# Altium PCB Main.PcbDoc
Units mil, origin at the board's own origin, x right, y up, seen from the top; angles counter-clockwise.
Board outline 3835 x 3825 mil, 2 copper layers (Top Layer, Bottom Layer); 84 components, 49 nets, 242 pads, 0 vias.
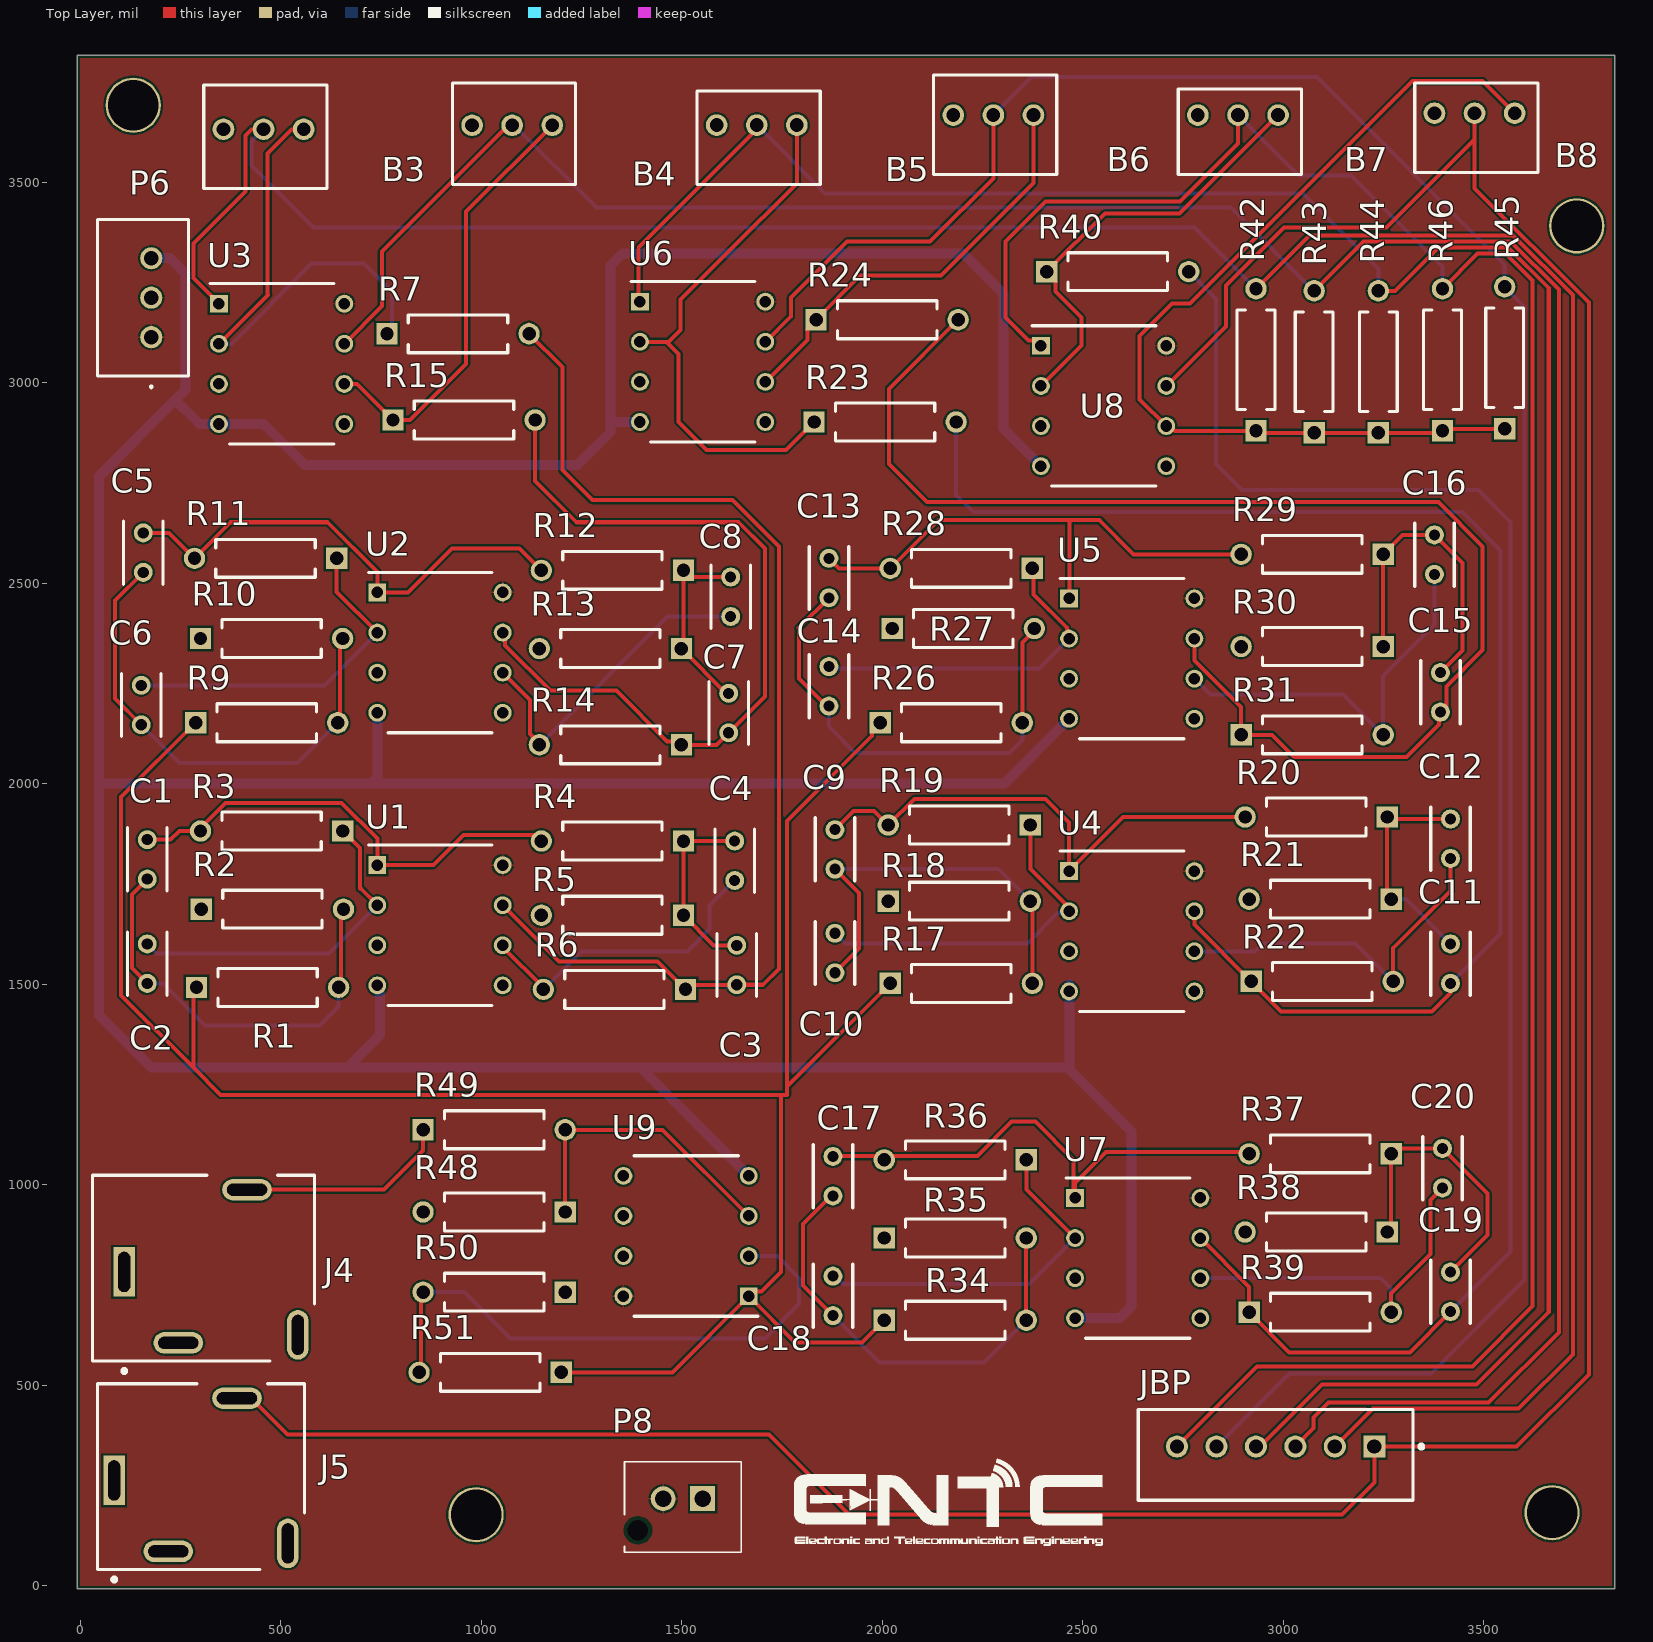
[diagram p0: Top Layer view]
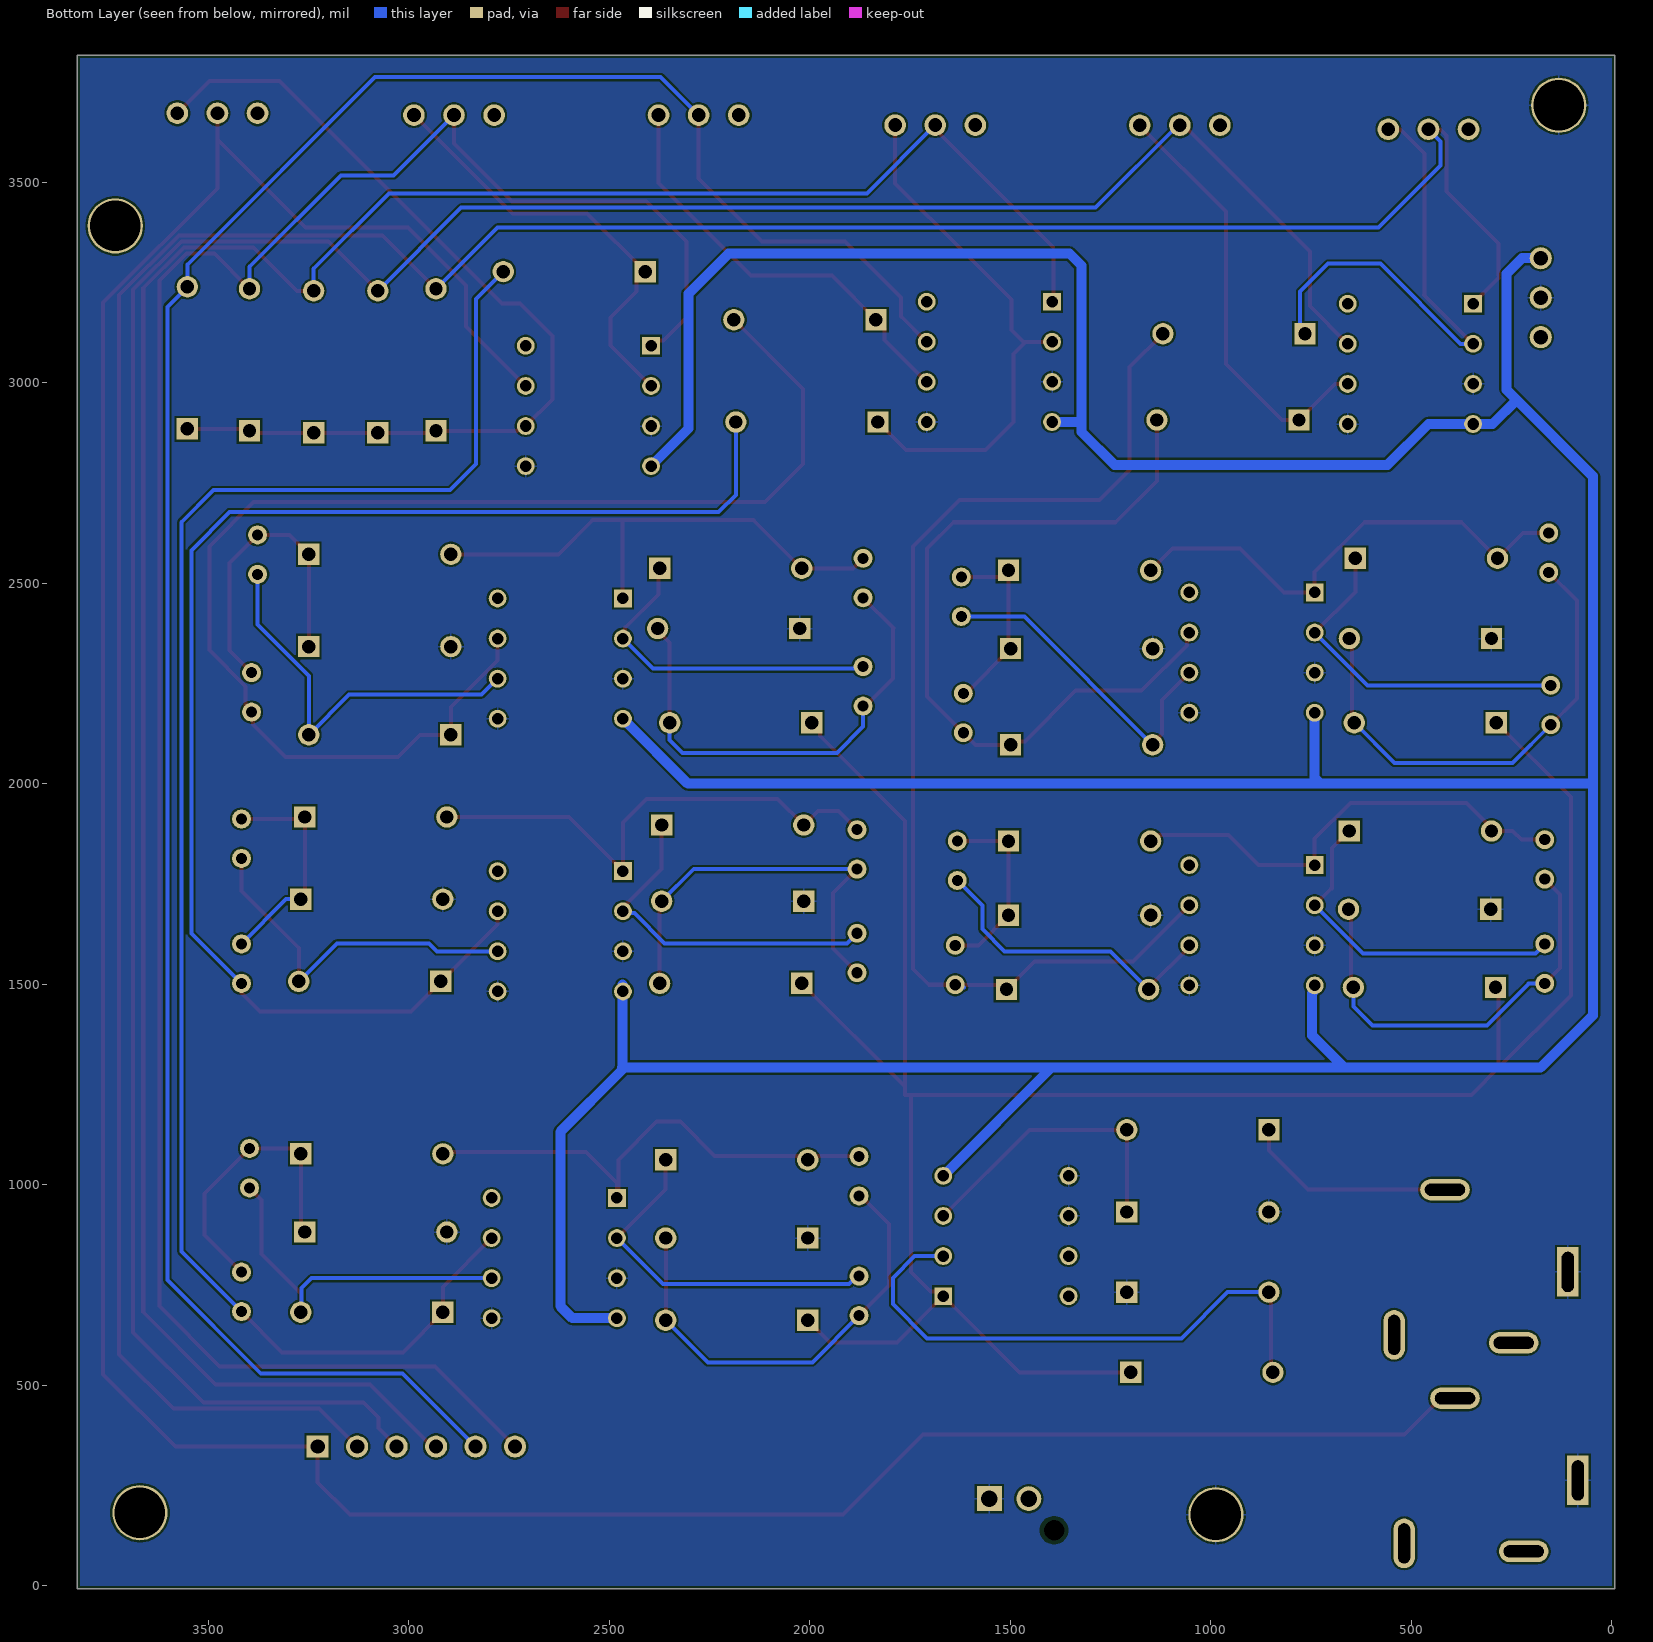
[diagram p1: Bottom Layer view, seen from below]

## Layer stack, top to bottom
Top Solder: solder mask 0.4, Solder Resist, Dk 3.5
Top Layer: signal copper 1.4
Dielectric 1: dielectric 12.6, FR-4, Dk 4.8
Bottom Layer: signal copper 1.4
Bottom Solder: solder mask 0.4, Solder Resist, Dk 3.5

## Board outline
3826.97,-8.03 -8.03,-8.03 -8.03,3816.97 3826.97,3816.97

## Design rules (kind name [scope] priority, off if disabled: settings)
BoardOutlineClearance [All] p1: gap=7.87 ignorepadtopadclearanceinfootprint=FALSE
Clearance [All] p1: gap=5 ignorepadtopadclearanceinfootprint=FALSE except(9.84: Arc-Hole Track-Hole SMDPad-Hole THPad-Hole Via-Hole Fill-Hole Poly-Hole Region-Hole Text-Hole)
ComponentClearance [All] p1: gap=5 collisioncheckmode=3 verticalgap=5 showdistances=TRUE
DiffPairsRouting [All] p1: maxlimit=10 minlimit=5 mostfreqgap=5 toplayer_minwidth=5 toplayer_maxwidth=1000 toplayer_prefwidth=5 bottomlayer_minwidth=5 bottomlayer_maxwidth=1000 bottomlayer_prefwidth=5 maxuncoupledlength=500
Height [All] p1: minheight=0 maxheight=71497.94 prefheight=500
HoleSize [All] p1: absolutevalues=TRUE maxlimit=248.03 minlimit=11.81 maxpercent=80.000 minpercent=20.000
HoleToHoleClearance [All] p1: gap=9.84 allowstackedmicrovias=FALSE
MinimumAnnularRing [All] p1: minimumring=3
MinimumSolderMaskSliver [All] p1: minsoldermaskwidth=0
PlaneClearance [All] p1: clearance=5
PlaneConnect PlaneConnectPowerPads [InPadClass('PowerPads')] p1: planeconnectstyle=Direct reliefexpansion=20 reliefentries=4 reliefconductorwidth=10 reliefairgap=10
PlaneConnect [All] p2: pad.planeconnectstyle=Relief pad.reliefexpansion=11.81 pad.reliefentries=4 pad.reliefconductorwidth=5 pad.reliefairgap=5 via.planeconnectstyle=Direct via.reliefexpansion=11.81 via.reliefentries=4 via.reliefconductorwidth=5 via.reliefairgap=5
PolygonConnect PolygonConnectPowerPads [All vs (InPadClass('PowerPads'))] p1: connectstyle=Direct reliefconductorwidth=10 reliefentries=4 polygonreliefangle="90 Angle" airgapwidth=10
PolygonConnect [All] p2: thpad.connectstyle=Relief thpad.reliefconductorwidth=5 thpad.reliefentries=4 thpad.polygonreliefangle="90 Angle" thpad.airgapwidth=5 smdpad.connectstyle=Relief smdpad.reliefconductorwidth=5 smdpad.reliefentries=4 smdpad.polygonreliefangle="90 Angle" smdpad.airgapwidth=5 via.connectstyle=Direct via.reliefconductorwidth=5 via.reliefentries=4 via.polygonreliefangle="90 Angle" via.airgapwidth=5
RoutingVias [All] p1: holewidth=11.81 width=23.62 viastyle="Through Hole" minholewidth=11.81 minwidth=23.62 maxholewidth=23.62 maxwidth=259.84
SilkToSilkClearance [All] p1: silktosilkclearance=0
SilkToSolderMaskClearance [IsPad] p1: minsilkscreentomaskgap=5 clearancetoexposedcopper=TRUE
SolderMaskExpansion [All] p1: expansion=2.95 istentingtop=FALSE
Width Width_1 [InNet('V_POS')] p1: maxlimit=25 minlimit=10 preferedwidth=25 minimp=50.000000 maximp=50.000000 favimp=50.000000
Width Width_6 [InNet('V-')] p2: maxlimit=25 minlimit=10 preferedwidth=25 minimp=50.000000 maximp=50.000000 favimp=50.000000
Width Width_5 [InNet('V+')] p3: maxlimit=25 minlimit=10 preferedwidth=25 minimp=50.000000 maximp=50.000000 favimp=50.000000
Width Width_4 [InNet('V_NEG_POW')] p4: maxlimit=25 minlimit=10 preferedwidth=25 minimp=50.000000 maximp=50.000000 favimp=50.000000
Width Width_3 [InNet('V_NEG')] p5: maxlimit=25 minlimit=10 preferedwidth=25 minimp=50.000000 maximp=50.000000 favimp=50.000000
Width Width_2 [InNet('V_POS_POW')] p6: maxlimit=25 minlimit=10 preferedwidth=25 minimp=50.000000 maximp=50.000000 favimp=50.000000
Width [All] p7: maxlimit=25 minlimit=10 preferedwidth=10 minimp=50.000000 maximp=50.000000 favimp=50.000000
20 further rules are at their usual default settings.

## Components (designator, comment, footprint, x,y, rotation, side; value= is the part's Value field where it differs from the comment)
B3 "14910A0BHSX10502KA" 14910F0GJSX10103KA 456.97,4081.58 r90 top
B4 "14910A0BHSX10502KA" 14910F0GJSX10103KA 1076.97,4091.58 r90 top
B5 "14910A0BHSX10502KA" 14910F0GJSX10103KA 1686.97,4091.97 r90 top
B6 "14910A0BHSX10502KA" 14910F0GJSX10103KA 2276.97,4116.97 r90 top
B7 "14910A0BHSX10502KA" 14910F0GJSX10103KA 2886.97,4116.97 r90 top
B8 "14910A0BHSX10502KA" 14910F0GJSX10103KA 3476.97,4121.58 r90 top
C1 "100nF" K104K15X7RF5TL2 166.97,1761.97 r90 top
C2 "100nF" K104K15X7RF5TL2 166.97,1501.97 r90 top
C3 "100nF" K104K15X7RF5TL2 1636.97,1596.97 r270 top
C4 "100nF" K104K15X7RF5TL2 1631.97,1856.97 r270 top
C5 "100nF" K104K15X7RF5TL2 156.97,2526.97 r90 top
C6 "100nF" K104K15X7RF5TL2 151.97,2146.97 r90 top
C7 "100nF" K104K15X7RF5TL2 1616.97,2225.4 r270 top
C8 "100nF" K104K15X7RF5TL2 1621.97,2515.4 r270 top
C9 "10nF" K104K15X7RF5TL2 1881.97,1786.97 r90 top
C10 "10nF" K104K15X7RF5TL2 1881.97,1528.55 r90 top
C11 "10nF" K104K15X7RF5TL2 3416.97,1600.4 r270 top
C12 "10nF" K104K15X7RF5TL2 3416.97,1911.97 r270 top
C13 "10nF" K104K15X7RF5TL2 1866.97,2463.55 r90 top
C14 "10nF" K104K15X7RF5TL2 1866.97,2193.55 r90 top
C15 "10nF" K104K15X7RF5TL2 3391.97,2276.97 r270 top
C16 "10nF" K104K15X7RF5TL2 3376.97,2620.4 r270 top
C17 "1nF" K104K15X7RF5TL2 1876.97,971.97 r90 top
C18 "1nF" K104K15X7RF5TL2 1876.97,673.55 r90 top
C19 "1nF" K104K15X7RF5TL2 3416.97,781.97 r270 top
C20 "1nF" K104K15X7RF5TL2 3396.97,1090.4 r270 top
J4 "35RAPC3BH3" FP-35RAPC3BH3-MFG 236.97,791.97 r0 top
J5 "35RAPC3BH3" FP-35RAPC3BH3-MFG 211.97,271.97 r0 top
JBP "B6B-XH-A(LF)(SN)" FP-B6B-XH-A_LF_SN-MFG 2980.91,326.3 r180 top
P6 "B3B-XH-A_LF__SN_" B3BXHALFSN 176.97,3113.55 r90 top
P8 "B2B-XH-AM_LF__SN_" B2BXHAMLFSN 1551.97,216.97 r180 top
R1 "MFR-25FBF52-221R" RESA60-630X240 466.97,1491.97 r0 top value=12K
R2 "MFR-25FBF52-221R" RESA60-630X240 479.14,1686.97 r0 top value=68K
R3 "MFR-25FBF52-221R" RESA60-630X240 476.97,1881.97 r180 top value=39K
R4 "MFR-25FBF52-221R" RESA60-630X240 1326.97,1856.97 r180 top value=3.3K
R5 "MFR-25FBF52-221R" RESA60-630X240 1326.97,1671.97 r180 top value=22K
R6 "MFR-25FBF52-221R" RESA60-630X240 1331.97,1486.97 r180 top value=10K
R7 "MFR-25FBF52-221R" RESA60-630X240 941.97,3121.97 r0 top value=2.2K
R9 "MFR-25FBF52-221R" RESA60-630X240 464.81,2151.97 r0 top value=3.3K
R10 "MFR-25FBF52-221R" RESA60-630X240 476.97,2361.97 r0 top value=2K
R11 "MFR-25FBF52-221R" RESA60-630X240 461.97,2561.97 r180 top value=10K
R12 "MFR-25FBF52-221R" RESA60-630X240 1326.97,2531.97 r180 top value=1.5K
R13 "MFR-25FBF52-221R" RESA60-630X240 1321.97,2336.97 r180 top value=910
R14 "MFR-25FBF52-221R" RESA60-630X240 1321.97,2096.97 r180 top value=4.7K
R15 "MFR-25FBF52-221R" RESA60-630X240 956.97,2906.97 r0 top value=2.2K
R17 "MFR-25FBF52-221R" RESA60-630X240 2196.97,1501.97 r0 top value=9.1K
R18 "MFR-25FBF52-221R" RESA60-630X240 2191.97,1706.97 r0 top value=7.5K
R19 "MFR-25FBF52-221R" RESA60-630X240 2191.97,1896.97 r180 top value=27K
R20 "MFR-25FBF52-221R" RESA60-630X240 3081.97,1916.97 r180 top value=3.6K
R21 "MFR-25FBF52-221R" RESA60-630X240 3091.97,1711.97 r180 top value=3K
R22 "MFR-25FBF52-221R" RESA60-630X240 3096.97,1506.97 r0 top value=11K
R23 "MFR-25FBF52-221R" RESA60-630X240 2006.97,2901.97 r0 top value=2.2K
R24 "MFR-25FBF52-221R" RESA60-630X240 2011.97,3156.97 r0 top value=2.2K
R26 "MFR-25FBF52-221R" RESA60-630X240 2171.97,2151.97 r0 top value=3.6K
R27 "MFR-25FBF52-221R" RESA60-630X240 2201.97,2386.97 r0 top value=1.2K
R28 "MFR-25FBF52-221R" RESA60-630X240 2196.97,2536.97 r180 top value=11K
R29 "MFR-25FBF52-221R" RESA60-630X240 3071.97,2571.97 r180 top value=1.8K
R30 "MFR-25FBF52-221R" RESA60-630X240 3071.97,2341.97 r180 top value=620
R31 "MFR-25FBF52-221R" RESA60-630X240 3071.97,2121.97 r0 top value=5.6K
R34 "MFR-25FBF52-221R" RESA60-630X240 2181.97,661.97 r0 top value=20K
R35 "MFR-25FBF52-221R" RESA60-630X240 2181.97,866.97 r0 top value=3.6K
R36 "MFR-25FBF52-221R" RESA60-630X240 2181.97,1061.97 r180 top value=56K
R37 "MFR-25FBF52-221R" RESA60-630X240 3091.97,1076.97 r180 top value=12k
R38 "MFR-25FBF52-221R" RESA60-630X240 3081.97,881.97 r180 top value=2.2k
R39 "MFR-25FBF52-221R" RESA60-630X240 3091.97,681.97 r0 top value=36K
R40 "MFR-25FBF52-221R" RESA60-630X240 2586.97,3276.97 r0 top value=2.2K
R42 "MFR-25FBF52-221R" RESA60-630X240 2931.97,3056.97 r90 top value=5K
R43 "MFR-25FBF52-221R" RESA60-630X240 3076.97,3051.97 r90 top value=5K
R44 "MFR-25FBF52-221R" RESA60-630X240 3236.97,3051.97 r90 top value=5K
R45 "MFR-25FBF52-221R" RESA60-630X240 3551.97,3061.97 r90 top value=5K
R46 "MFR-25FBF52-221R" RESA60-630X240 3396.97,3056.97 r90 top value=5K
R48 "MFR-25FBF52-221R" RESA60-630X240 1031.97,931.97 r180 top value=68K
R49 "MFR-25FBF52-221R" RESA60-630X240 1031.97,1136.97 r0 top value=39K
R50 "MFR-25FBF52-221R" RESA60-630X240 1031.97,731.97 r180 top value=39K
R51 "MFR-25FBF52-221R" RESA60-630X240 1021.97,531.97 r180 top value=68K
U1 "TL072CP" DIP794W53P254L959H508Q8N 896.97,1646.97 r0 top
U2 "TL072CP" DIP794W53P254L959H508Q8N 896.97,2326.97 r0 top
U3 "TL072CP" DIP794W53P254L959H508Q8N 501.97,3046.97 r0 top
U4 "TL072CP" DIP794W53P254L959H508Q8N 2621.97,1631.97 r0 top
U5 "NE5532P" DIP794W53P254L959H508Q8N 2621.97,2311.97 r0 top
U6 "NE5532P" DIP794W53P254L959H508Q8N 1551.97,3051.97 r0 top
U7 "NE5532P" DIP794W53P254L959H508Q8N 2636.97,816.97 r0 top
U8 "NE5532P" DIP794W53P254L959H508Q8N 2551.97,2941.97 r0 top
U9 "TL072CP" DIP794W53P254L959H508Q8N 1510.67,871.97 r180 top

## Footprints (in the part's own frame and the unit in brackets; to place one, negate y for a bottom-side part, rotate by r counter-clockwise, add the part's x,y. Pads: shape width x height; smd on the part's side, far side on the other; paste and mask are expansions set on the pad)
14910F0GJSX10103KA [mm]
  round 1.37 hole 0.87: 1(-11.42,-2.54) 2(-11.42,0) 3(-11.42,2.54)
  silkscreen extent -15.18,-4.02 -8.63,3.79, body extent -15.18,-6.26 9.7,6.24, height 13.14
B2BXHAMLFSN [mm]
  rect 1.575x1.575 hole 1.05: 1(0,0)
  round 1.575 hole 1.05: 2(2.5,0)
  round 0.65 hole 1.3 unplated: MH1(4.1,2)
  silkscreen extent -2.45,-2.35 4.95,3.4, body extent -2.45,-2.36 4.95,3.39, height 6.9
B3BXHALFSN [mm]
  round 1.4 hole 0.9: 1(0,0) 2(2.5,0) 3(5,0)
  silkscreen extent -3.2,-2.35 7.45,3.4, body extent -2.45,-2.35 7.45,3.4, height 7.09
DIP794W53P254L959H508Q8N [mm]
  rect 1.13x1.13 hole 0.73: 1(-3.97,3.81)
  round 1.13 hole 0.73: 2(-3.97,1.27) 3(-3.97,-1.27) 4(-3.97,-3.81) 5(3.97,-3.81) 6(3.97,-1.27) 7(3.97,1.27) 8(3.97,3.81)
  silkscreen extent -4.53,-5.08 3.3,5.08, body extent -4.1,-4.64 4.1,4.64, height 4.21
FP-35RAPC3BH3-MFG [mil]
  rect 53.62x123.62 hole 100 slot 30 at 0 deg paste-39370.1 mask+0: 1(-127.5,-9.5)
  rrect100% 123.62x53.62 hole 100 slot 30 at 90 deg paste-39370.1 mask+0: 2(178.77,195.5) 5(7.37,-186.41)
  rrect100% 53.62x123.62 hole 100 slot 30 at 0 deg paste-39370.1 mask+0: 4(305.5,-166.5)
  silkscreen extent -206,-261 347,232, body extent -351,-235 351,235, height 10
FP-B6B-XH-A_LF_SN-MFG [mm]
  rect 1.4x1.4 hole 0.9 paste-1000 mask+0: 1(-6.25,-0.525)
  round 1.4 hole 0.9 paste-1000 mask+0: 2(-3.75,-0.525) 3(-1.25,-0.525) 4(1.25,-0.525) 5(3.75,-0.525) 6(6.25,-0.525)
  silkscreen extent -9.35,-2.88 8.7,2.88, body extent -8.8,-2.98 8.8,2.98, height 0.25
K104K15X7RF5TL2 [mm]
  round 1.2 hole 0.7: 1(0,0) 2(2.5,0)
  silkscreen extent -0.75,-1.25 3.25,1.25, body extent -0.75,-1.3 3.25,1.3, height 5.71
RESA60-630X240 [mm] "Axial Resistor, 2-Leads, Dia 2.4mm, Body Length 6.3mm"
  rect 1.35x1.35 hole 0.85: 1(-4.5,0)
  round 1.35 hole 0.85: 2(4.5,0)
  silkscreen extent -3.15,-1.2 3.15,1.2, body extent -4.77,-1.19 4.77,1.2, height 2.4

## Part data
B3 B4 B5 B6 B7 B8: "Variable Resistor", Manufacturer_Name=Vishay, Mouser Part Number=594-14910A0BHSP502KA, Datasheet Link=https://www.mouser.com/datasheet/2/427/148149-239924.pdf, Manufacturer_Part_Number=14910A0BHSX10502KA, Mouser Price/Stock=https://www.mouser.co.uk/ProductDetail/Vishay-Spectrol/14910A0BHSX10502KA?qs=sKxHajcpPaBuEjDBnLxOZg%3D%3D
C1 C2 C3 C4 C5 C6 C7 C8 C9 C10 C11 C12 C13 C14 C15 C16 C17 C18 C19 C20: library part K104K15X7RF5TL2, "Capacitor", Manufacturer_Name=Vishay, Mouser Part Number=594-K104K15X7RF5TL2, Arrow Part Number=K104K15X7RF5TL2, Arrow Price/Stock=https://www.arrow.com/en/products/k104k15x7rf5tl2/vishay?region=nac, Datasheet Link=https://componentsearchengine.com/Datasheets/1/K104K15X7RF5TL2.pdf, Height=5.58mm, Manufacturer_Part_Number=K104K15X7RF5TL2, Mouser Price/Stock=https://www.mouser.co.uk/ProductDetail/Vishay-BC-Components/K104K15X7RF5TL2?qs=sYfpZ29HcUR83i3HiPAFlA%3D%3D
J4 J5: library part CMP-47983-000003-1, "CONN JACK STEREO 3.5MM R/A", Body Color=Black, Package Quantity=1, Voltage Rating=500V, Body Material=Brass, Color=Black, Contact Material="Copper Alloy", Contact Plating=Silver, Gender=Female, Housing Material=PBT, Lead Free="Lead Free", Mount="Through Hole", Number of Ports=1, Number of Positions=3, Number of Terminals/Pins=3, Orientation="Right Angle", Packaging=Bulk, RoHS Compliant=Yes, Series=35, Shielding=Unshielded, Termination=Solder
JBP: library part CMP-17439-000076-1, "CONN HEADER VERT 6POS 2.5MM"
P6: "Connector", Arrow Part Number=B3B-XH-A(LF)(SN), Manufacturer_Name="JST (JAPAN SOLDERLESS TERMINALS)", Arrow Price/Stock=https://www.arrow.com/en/products/b3b-xh-a-lf-sn/jst-manufacturing?region=europe, Datasheet Link=https://datasheet.lcsc.com/szlcsc/1812131720_JST-Sales-America-B3B-XH-A-LF-SN_C144394.pdf, Height=7mm, Manufacturer_Part_Number=B3B-XH-A(LF)(SN)
P8: "Connector", Arrow Part Number=B2B-XH-AM(LF)(SN), Manufacturer_Name="JST (JAPAN SOLDERLESS TERMINALS)", Arrow Price/Stock=https://www.arrow.com/en/products/b2b-xh-am-lf-sn/jst-manufacturing?region=europe, Datasheet Link=https://www.jst-mfg.com/product/pdf/eng/eXH.pdf, Height=7mm, Manufacturer_Part_Number=B2B-XH-AM(LF)(SN)
R1 R2 R3 R9 R10 R11 R17 R18 R19 R26 R27 R28 R34 R35 R36: library part CMP-009-00051-4, "Axial Resistor, 221 Ohm, +/- 1%, 250 mW, -55 to 155 degC, 2-Pin THD, RoHS, Bulk", Case/Package=Axial, Manufacturer=Yageo, Max Operating Temperature=155°C, Min Operating Temperature=-55°C, Package Description="2-Pin Axial Lead, Dia 2.4 mm, Body Length 6.3 mm", Package Quantity=200, Package Reference=MFR-25, Power=250mW, Tolerance=1%, Voltage Rating=250V, Datasheet URL=http://www.yageo.com/documents/recent/Yageo%20LR_MFR_2013.pdf, Datasheet Version=Apr-13, Manufacturer URL=http://www.yageo.com/, Mounting Technology=TH, Packaging=Bulk, RoHS Compliant=True
R4 R5 R6 R7 R12 R13 R14 R15 R20 R21 R22 R23 R24 R29 R30 R31 R37 R38 R39 R40 R42 R43 R44 R45 R46 R48 R49 R50 R51: library part CMP-009-00051-4, Case/Package=Axial, Manufacturer=Yageo, Max Operating Temperature=155°C, Min Operating Temperature=-55°C, Package Description="2-Pin Axial Lead, Dia 2.4 mm, Body Length 6.3 mm", Package Quantity=200, Package Reference=MFR-25, Power=250mW, Tolerance=1%, Voltage Rating=250V, Datasheet URL=http://www.yageo.com/documents/recent/Yageo%20LR_MFR_2013.pdf, Datasheet Version=Apr-13, Manufacturer URL=http://www.yageo.com/, Mounting Technology=TH, Packaging=Bulk, RoHS Compliant=True
U1 U2 U3 U4 U9: "Integrated Circuit", Manufacturer_Name="Texas Instruments", Mouser Part Number=595-TL072CP, Arrow Part Number=TL072CP, Arrow Price/Stock=https://www.arrow.com/en/products/tl072cp/texas-instruments?region=nac, Datasheet Link=http://www.ti.com/lit/ds/symlink/tl071a.pdf, Height=5.08mm, Manufacturer_Part_Number=TL072CP, Mouser Price/Stock=https://www.mouser.co.uk/ProductDetail/Texas-Instruments/TL072CP?qs=5nGYs9Do7G3e6Tx9uHIgUA%3D%3D
U5 U6 U7 U8: "Integrated Circuit", Manufacturer_Name="Texas Instruments", Mouser Part Number=595-NE5532P, Arrow Part Number=NE5532P, Arrow Price/Stock=https://www.arrow.com/en/products/ne5532p/texas-instruments?region=nac, Datasheet Link=http://www.ti.com/lit/ds/symlink/ne5532a.pdf, Height=5.08mm, Manufacturer_Part_Number=NE5532P, Mouser Price/Stock=https://www.mouser.co.uk/ProductDetail/Texas-Instruments/NE5532P?qs=3pnr37ZAbK%252Bre0OAHDmGsw%3D%3D

## Free pads (board coordinates)
  round 137.8 hole 125.98: 2(131.97,3691.97) 3(986.97,176.97) 4(3670.14,182.13) 4(3731.76,3390.92)

## Nets (pads, with @x,y where several pads share a name; then routed paths per layer and width w, separated by ;. In a path a pad name is that pad's centre, name@x,y a point inside that pad or via, vN(x,y) a via of type N, cw(c..) or ccw(c..) an arc to the next point about the centre after c; other vN are vias at no path point)
Filter1Out: C3.2 R6.1 R7.2 U1.7 | length 2892.1
  Top Layer w10: U1.7 1193.27,1556.97 1439.14,1556.97 R6.1 1520.71,1498.55 C3.2 ; R7.2@1119.14,3145.13 R7.2 1201.97,3039.14 1201.97,2781.97 1276.97,2706.97 1626.97,2706.97 1741.97,2591.97 1741.97,1537.83 1702.74,1498.6 C3.2
  Bottom Layer w10: C3.2@1614.85,1491.42 1629.85,1491.42 C3.2
Filter2Out: C7.2 R14.1 R15.2 U2.7 | length 1999.3
  Top Layer w10: U2.7 1059.51,2370.73 1059.51,2344.43 1171.97,2231.97 1336.97,2231.97 1463.42,2105.52 1490.59,2105.52 R14.1 1586.97,2096.97 C7.2 1706.97,2216.97 1706.97,2586.97 1641.97,2651.97 1236.97,2651.97 1134.14,2754.81 R15.2
Filter3Out: C11.2 R22.1 R23.2 U4.7 | length 3533.4
  Top Layer w10: U4.7 2778.27,1648.51 R22.1 2994.81,1431.97 3370.4,1431.97 3416.97,1478.55 C11.2
  Bottom Layer w10: R23.2 2184.14,2719.81 2226.97,2676.97 3446.97,2676.97 3541.97,2581.97 3541.97,1626.97 C11.2
Filter4Out: C15.2 R24.2 R31.1 U5.7 | length 3323.1
  Top Layer w10: R24.2 2016.97,2984.81 2016.97,2796.97 2111.97,2701.97 3386.97,2701.97 3496.97,2591.97 3496.97,2332.85 3406.97,2242.85 3406.97,2193.55 C15.2 3387.95,2174.52 3387.95,2147.95 3306.97,2066.97 3026.97,2066.97 2971.97,2121.97 R31.1 2894.81,2191.04 2778.27,2307.57 U5.7
Filter5Out: C19.2 R39.1 R40.2 U7.7 | length 4154.8
  Top Layer w10: U7.7 2914.81,745.44 R39.1 3014.81,581.97 3315.4,581.97 C19.2
  Bottom Layer w10: R40.2 2831.97,3209.14 2831.97,2796.97 2896.97,2731.97 3486.97,2731.97 3566.97,2651.97 3566.97,833.55 C19.2 ; U7.7@2793.18,867.06 U7.7
GND: J4.1 J5.1 P6.2 P8.1 pad.2 pad.3 R2.1 R5.2 R10.1 R13.2 R18.1 R21.2 R27.1 R30.2 R35.1 R38.2 R48.2 R50.1 U1.3 U1.5 U2.3 U2.5 U3.3 U3.5 U4.3 U4.5 U5.3 U5.5 U6.3 U6.5 U7.3 U7.5 U8.3 U8.5 U9.5 U9.6
Input: R1.1 R9.1 R17.1 R26.1 R34.1 R51.1 U9.1 | length 5626.6
  Top Layer w10: R1.1@281.97,1507.63 281.97,1291.97 ; R9.1 101.97,1966.3 101.97,1471.97 281.97,1291.97 ; R51.1 1476.97,531.97 U9.1 ; R26.1 1973.71,2130.87 1973.71,2118.71 1762.49,1907.49 1762.49,1244.65 ; R34.1@2005.58,662.75 1949.81,606.97 1781.97,606.97 U9.1 ; R17.1 1762.49,1244.65 ; 281.97,1291.97 349.81,1224.14 1746.97,1224.14 ; U9.1 1678.36,733.36 1698.36,733.36 1746.97,781.97 1746.97,1224.14 ; 1746.97,1224.14 1762.49,1224.14 1762.49,1244.65
mainout: B8.2 J5.2 JBP.1 U8.7 | length 8035.1
  Top Layer w10: J5.2 425.74,467.47 516.24,376.97 1716.97,376.97 1916.97,176.97 3146.97,176.97 3226.97,256.97 JBP.1 3581.97,346.97 3761.97,526.97 3761.97,3199.4 3476.97,3484.4 3476.97,3606.97 ; U8.7 2856.97,3140.67 2856.97,3241.97 3001.97,3386.97 3256.97,3386.97 3476.97,3606.97 ; B8.2 3476.97,3606.97
NetC1_1: C1.1 C2.1 R1.2 R2.2 | length 1081
  Top Layer w10: C2.1 128.35,1540.59 128.35,1723.35 C1.1 ; R1.2 650.22,1498.05 650.22,1680.89 R2.2
  Bottom Layer w10: C2.1 206.97,1501.97 206.97,1500.44 310.44,1396.97 596.97,1396.97 644.14,1444.14 R1.2
NetC1_2: C1.2 R3.2 R4.2 U1.1 | length 1159.1
  Top Layer w10: C1.2 225.37,1860.4 246.94,1881.97 R3.2 299.81,1889.81 361.97,1951.97 651.43,1951.97 740.67,1862.73 U1.1 880.67,1796.97 955.67,1871.97 R4.2@1149.81,1871.97
NetC2_2: C2.2 R3.1 U1.2 | length 856.5
  Top Layer w10: C2.2@166.18,1601.18 C2.2 ; R3.1 696.97,1839.14 696.97,1738.27 699.38,1738.27 U1.2
  Bottom Layer w10: C2.2 190.4,1576.97 620.67,1576.97 U1.2
NetC3_1: C3.1 C4.1 R4.1 R5.1 | length 471.7
  Top Layer w10: R5.1 1579.14,1596.97 C3.1 ; R5.1@1504.14,1676.97 R4.1 C4.1
NetC4_2: C4.2 R6.2 U1.6 | length 791.1
  Top Layer w10: U1.6 1053.27,1592.74 1154.81,1491.2 R6.2 R6.2@1163.06,1495.23
  Bottom Layer w10: R6.2 1249.81,1581.97 1514.14,1581.97 1569.49,1637.33 1569.49,1696.07 C4.2 ; C4.2@1614.66,1756.24 C4.2@1616.97,1758.55
NetC5_1: C5.1 C6.1 R9.2 R10.2 | length 1221.7
  Top Layer w10: C6.1 86.97,2211.97 86.97,2456.97 C5.1 ; R9.2 648.05,2158.05 648.05,2355.89 R10.2
  Bottom Layer w10: C6.1 246.97,2051.97 541.97,2051.97 R9.2
NetC5_2: C5.2 R11.2 R12.2 U2.1 | length 1238.9
  Top Layer w10: C5.2 221.38,2625.4 R11.2 374.81,2651.97 616.97,2651.97 740.67,2528.27 U2.1 816.97,2476.97 926.97,2586.97 1094.81,2586.97 R12.2 R12.2@1138.13,2531.97
NetC6_2: C6.2 R11.1 U2.2 | length 870.3
  Top Layer w10: R11.1 639.14,2478.51 U2.2
  Bottom Layer w10: C6.2 609.1,2245.4 U2.2
NetC7_1: C7.1 C8.1 R12.1 R13.1 | length 483.8
  Top Layer w10: R13.1 1610.71,2225.4 C7.1 ; R13.1@1504.14,2336.97 R12.1 1520.71,2515.4 C8.1
NetC8_2: C8.2 R14.2 U2.6 | length 845
  Top Layer w10: U2.6 1121.97,2208.27 1121.97,2124.4 1157.08,2089.3 R14.2@1157.08,2084.7
  Bottom Layer w10: R14.2 1464.81,2416.97 C8.2
NetC9_1: C9.1 C10.1 R17.2 R18.2 | length 1042.5
  Top Layer w10: C10.1 1941.97,1588.55 1941.97,1726.97 C9.1 ; R18.2@2369.18,1711.93 2374.14,1706.97 2374.14,1506.97 R17.2@2379.14,1501.97
  Bottom Layer w10: C9.1 2289.14,1786.97 R18.2
NetC9_2: C9.2 R19.2 R20.2 U4.1 | length 1285.1
  Top Layer w10: C9.2 1928.55,1931.97 1979.81,1931.97 R19.2 2079.81,1961.97 2406.97,1961.97 2465.67,1903.27 U4.1 2600.67,1916.97 R20.2
NetC10_2: C10.2 R19.1 U4.2 | length 882.2
  Top Layer w10: R19.1 2369.14,1787.84 2465.67,1691.3 U4.2
  Bottom Layer w10: C10.2 1906.97,1601.97 2361.97,1601.97 2437.49,1677.49 2461.19,1677.49 U4.2
NetC11_1: C11.1 C12.1 R20.1 R21.1 | length 560.2
  Top Layer w10: R20.1@3259.14,1906.97 3259.14,1721.97 R21.1 ; R20.1 3264.14,1911.97 3411.97,1911.97 3416.97,1906.97 C12.1
  Bottom Layer w10: R21.1 3305.4,1711.97 C11.1
NetC12_2: C12.2 R22.2 U4.6 | length 918.4
  Top Layer w10: R22.2 3274.14,1589.64 3416.97,1732.48 C12.2 C12.2@3410.52,1807.09
  Bottom Layer w10: U4.6 2929.57,1581.97 2949.57,1601.97 3179.14,1601.97 R22.2
NetC13_1: C13.1 C14.1 R26.2 R27.2 | length 1201
  Top Layer w10: C14.1 1860.4,2193.55 1791.97,2261.97 1791.97,2386.97 1791.11,2387.83 1866.83,2463.55 C13.1 ; R26.2 2349.14,2351.7 2379.14,2381.7 R27.2
  Bottom Layer w10: C14.1 1866.97,2142.05 1932.05,2076.97 2316.97,2076.97 2349.14,2109.14 2349.14,2146.97 R26.2
NetC13_2: C13.2 R28.2 R29.2 U5.1 | length 1318.1
  Top Layer w10: C13.2 1891.97,2536.97 R28.2 2139.81,2656.97 2466.97,2656.97 ; U5.1@2466.97,2461.97 2466.97,2656.97 ; R29.2 2626.97,2571.97 2541.97,2656.97 2466.97,2656.97
NetC14_2: C14.2 R28.1 U5.2 | length 870.5
  Top Layer w10: R28.1@2351.97,2536.97 2352.69,2536.26 2352.69,2526.26 2366.11,2526.26 2376.97,2515.4 2376.97,2471.97 2459.99,2388.96 2459.99,2367.66 U5.2
  Bottom Layer w10: C14.2 1871.45,2291.97 C14.2@1876.45,2286.97 ; C14.2@1867.75,2286.97 C14.2@1876.45,2286.97 ; U5.2 2390.67,2286.97 C14.2@1876.45,2286.97
NetC15_1: C15.1 C16.1 R29.1 R30.1 | length 773.1
  Top Layer w10: R30.1 R29.1 3297.56,2620.4 C16.1 3446.97,2550.4 3446.97,2331.97 C15.1
NetC16_2: C16.2 R31.2 U5.6 | length 981.8
  Bottom Layer w10: U5.6 2818.27,2221.97 3149.14,2221.97 R31.2 3249.14,2269.14 3376.97,2396.97 C16.2
NetC17_1: C17.1 C18.1 R34.2 R35.2 | length 1158.8
  Top Layer w10: C18.1 1801.97,748.55 1801.97,901.97 1871.97,971.97 C17.1 ; R35.2@2356.97,886.97 2358.05,885.89 2358.05,663.05 R34.2
  Bottom Layer w10: C18.1 1993.55,556.97 2254.14,556.97 2345.04,647.88 2354.63,647.88 R34.2@2358.75,643.75
NetC17_2: C17.2 R36.2 R37.2 U7.1 | length 1270.3
  Top Layer w10: C17.2 1877.76,1071.18 2074.02,1071.18 2074.81,1071.97 2236.97,1071.97 2321.97,1156.97 2381.97,1156.97 2476.97,1061.97 U7.1@2476.97,970.67 ; U7.1 2480.67,1004.65 2558,1081.97 R37.2@2914.81,1081.97
NetC18_2: C18.2 R36.1 U7.2 | length 905
  Top Layer w10: R36.1 2359.14,988.51 U7.2
  Bottom Layer w10: C18.2 1881.45,771.97 1901.45,751.97 2365.67,751.97 U7.2
NetC19_1: C19.1 C20.1 R37.1 R38.1 | length 727
  Top Layer w10: R38.1@3269.14,876.97 R37.1 3282.56,1090.4 C20.1 3509.79,977.58 3509.79,874.79 C19.1
NetC20_2: C20.2 R39.2 U7.6 | length 904.8
  Top Layer w10: R39.2 3269.14,729.14 3366.97,826.97 3366.97,961.97 C20.2
  Bottom Layer w10: U7.6 3241.97,766.97 3266.97,741.97 3266.97,701.9 3274.4,694.47 R39.2@3281.64,694.47
NetJ4_2: J4.2 R49.1 | length 531.5
  Top Layer w10: J4.2 757.47,987.47 854.81,1084.81 R49.1
NetR48_1: R48.1 R49.2 U9.3 | length 751.9
  Top Layer w10: R48.1 R49.2 1451.97,1136.97 U9.3
NetR50_2: R50.2 R51.2 U9.2 | length 1438.6
  Top Layer w10: R51.2 849.81,536.97 849.81,726.97 R50.2
  Bottom Layer w10: R50.2 957.83,731.97 1072.83,616.97 1706.97,616.97 1791.97,701.97 1791.97,766.97 1792.83,767.83 1738.69,821.97 U9.2
out1: B3.2 JBP.2 R42.2 U3.1 | length 7516.6
  Top Layer w10: 281.97,3260.67 U3.1 ; 281.97,3266.97 281.97,3346.97 411.97,3476.97 411.97,3616.97 426.97,3631.97 B3.2 ; R42.2 3064.81,3366.97 3573.19,3366.97 3721.97,3218.19 3721.97,576.97 3586.97,441.97 3223.55,441.97 JBP.2
  Bottom Layer w10: B3.2 426.97,3601.97 426.97,3541.97 581.97,3386.97 2779.14,3386.97 R42.2
out2: B4.2 JBP.3 R43.2 U3.7 | length 7001.1
  Top Layer w10: U3.7 751.97,3190.67 751.97,3326.97 1066.97,3641.97 B4.2 ; JBP.3 3075.79,392.64 3075.79,419.93 3112.83,456.97 3511.97,456.97 3686.97,631.97 3686.97,3231.97 3566.97,3351.97 3199.81,3351.97 R43.2
  Bottom Layer w10: B4.2@1076.97,3646.97 1286.97,3436.97 2869.14,3436.97 R43.2 R43.2@3078.59,3227.51
out3: B5.2 JBP.4 R44.2 U6.1 | length 6234.8
  Top Layer w10: U6.1@1391.97,3206.97 1391.97,3330.67 ; 1392.82,3337.82 B5.2@1692.17,3637.17 ; JBP.4 2941.97,346.97 3096.97,501.97 3481.97,501.97 3661.97,681.97 3661.97,3235.76 3560.76,3336.97 3386.97,3336.97 3279.14,3229.14 R44.2
  Bottom Layer w10: B5.2 1857.37,3471.97 3049.14,3471.97 3236.97,3284.14 R44.2
out4: B6.2 JBP.5 R45.2 U6.7 | length 5923.9
  Top Layer w10: U6.7 1771.97,3165.67 1771.97,3211.97 1911.97,3351.97 2119.4,3351.97 2276.97,3509.54 B6.2
  Bottom Layer w10: B6.2 2371.58,3761.97 3084.14,3761.97 3551.97,3294.14 R45.2 3601.97,3189.14 3601.97,761.97 3368.94,528.94 3015.23,528.94 JBP.5
out5: B7.2 JBP.6 R46.2 U8.1 | length 5659.7
  Top Layer w10: U8.1 2382.13,3105.52 2364.29,3105.52 2306.97,3162.83 2306.97,3351.97 2406.97,3451.97 2741.97,3451.97 2886.97,3596.97 B7.2 ; JBP.6 2934.85,546.97 3471.97,546.97 3621.97,696.97 3621.97,3254.55 3554.55,3321.97 3484.81,3321.97 R46.2
  Bottom Layer w10: B7.2 3037.37,3516.97 3169.14,3516.97 3396.97,3289.14 R46.2
V_NEG: P6.3 U1.4 U2.4 U3.4 U4.4 U5.4 U6.4 U7.4 U8.4 U9.4 | length 12003.5
  Bottom Layer w25: P6.3 223.55,3310.4 261.97,3271.97 261.97,2981.97 236.97,2956.97 ; U1.4 744.4,1493.24 744.4,1479.46 746.97,1476.89 746.97,1371.97 666.97,1291.97 ; U2.4 740.67,2013.82 726.97,2000.12 ; U6.4 1321.97,2901.97 ; U9.4 1396.97,1291.97 ; U8.4 2301.97,2885.67 2301.97,3221.97 2201.97,3321.97 1351.97,3321.97 1321.97,3291.97 1321.97,2901.97 ; U5.4 2303.82,2000.12 726.97,2000.12 ; U4.4@2466.97,1498.68 2466.97,1481.97 2466.97,1286.97 2621.97,1131.97 2621.97,696.97 2591.97,666.97 U7.4 ; 2468.32,1291.97 1396.97,1291.97 ; 46.97,2000.12 726.97,2000.12 ; 46.97,2000.12 46.97,1421.97 176.97,1291.97 666.97,1291.97 ; 46.97,2000.12 46.97,2766.97 236.97,2956.97 ; 236.97,2956.97 296.97,2896.97 U3.4 456.97,2896.97 559.47,2794.47 1239.47,2794.47 1321.97,2876.97 1321.97,2901.97 ; 666.97,1291.97 1396.97,1291.97
V_POS: P6.1 P8.2 U1.8 U2.8 U3.8 U4.8 U5.8 U6.8 U7.8 U8.8 U9.8
VarResN6: B8.1 R42.1 R43.1 R44.1 R45.1 R46.1 U8.6 | length 2352.7
  Top Layer w10: R45.1 3401.97,2884.81 R46.1 3391.97,2874.81 2936.97,2874.81 R42.1 2729.77,2879.81 2717.6,2891.97 U8.6 2641.97,2958.27 2641.97,3116.97 2721.97,3196.97 2766.97,3196.97 3321.97,3751.97 3496.97,3751.97 B8.1
  Bottom Layer w10: R44.1 R44.1@3241.97,2879.81 ; R46.1 R46.1@3401.97,2884.81
VarResP1: B3.1 R7.1 U3.2 | length 1300.3
  Top Layer w10: U3.2 467.91,3219.21 ; 466.97,3219.86 466.97,3571.97 526.97,3631.97 B3.1
  Bottom Layer w10: U3.2 345.76,3097.06 377.06,3097.06 576.97,3296.97 706.97,3296.97 777.07,3226.88 R7.1@777.07,3109.71
VarResP2: B4.1 R15.1 U3.6 | length 1083
  Top Layer w10: U3.6 689.81,2996.97 R15.1 821.97,2906.97 961.97,3046.97 961.97,3426.97 B4.1
VarResP3: B5.1 R23.1 U6.2 | length 1352.5
  Top Layer w10: U6.2 1461.97,3101.97 ; B5.1 1786.97,3496.97 1615.72,3325.72 1591.97,3301.97 1496.97,3206.97 1496.97,3131.97 1466.97,3101.97 1461.97,3101.97 ; R23.1 1759.81,2831.97 1561.97,2831.97 1491.97,2901.97 1491.97,3071.97 1461.97,3101.97
VarResP4: B6.1 R24.1 U6.6 | length 1060.5
  Top Layer w10: U6.6 1813.23,3106.93 1813.23,3135.4 R24.1 1944.81,3266.97 2146.37,3266.97 2376.97,3497.57 B6.1
VarResP5: B7.1 R40.1 U8.2 | length 1101.9
  Top Layer w10: U8.2 2496.97,3093.27 2496.97,3161.97 2431.38,3227.56 2431.38,3255.4 R40.1 2554.81,3421.97 2741.58,3421.97 B7.1
pads on no net: B3.3 B4.3 B5.3 B6.3 B7.3 B8.3 J4.4 J4.5 J5.4 J5.5 P8.MH1 U9.7

## Polygon pours and split planes (outlines as drawn)
V_POS on Top Layer "V_POS_L01_P000" (solid, pour order 0): -8.03,-8.03 3826.97,-8.03 3826.97,3816.97 -8.03,3816.97
GND on Bottom Layer "GND_L02_P001" (solid, pour order 1): -8.03,-8.03 3826.97,-8.03 3826.97,3816.97 -8.03,3816.97

## Silkscreen, mask and mechanical layers (free items; w line width, h text height)
Top Overlay:
  drawing of 52 lines, arcs and shapes, not listed
Mechanical 1:
  lines w15: -5,-5 3825,-5 3825,3815 -5,3815 -5,-5